# Altium PCB iMX53_BB_PCB_V1I1.PcbDoc (part 4 of 9) (continued)
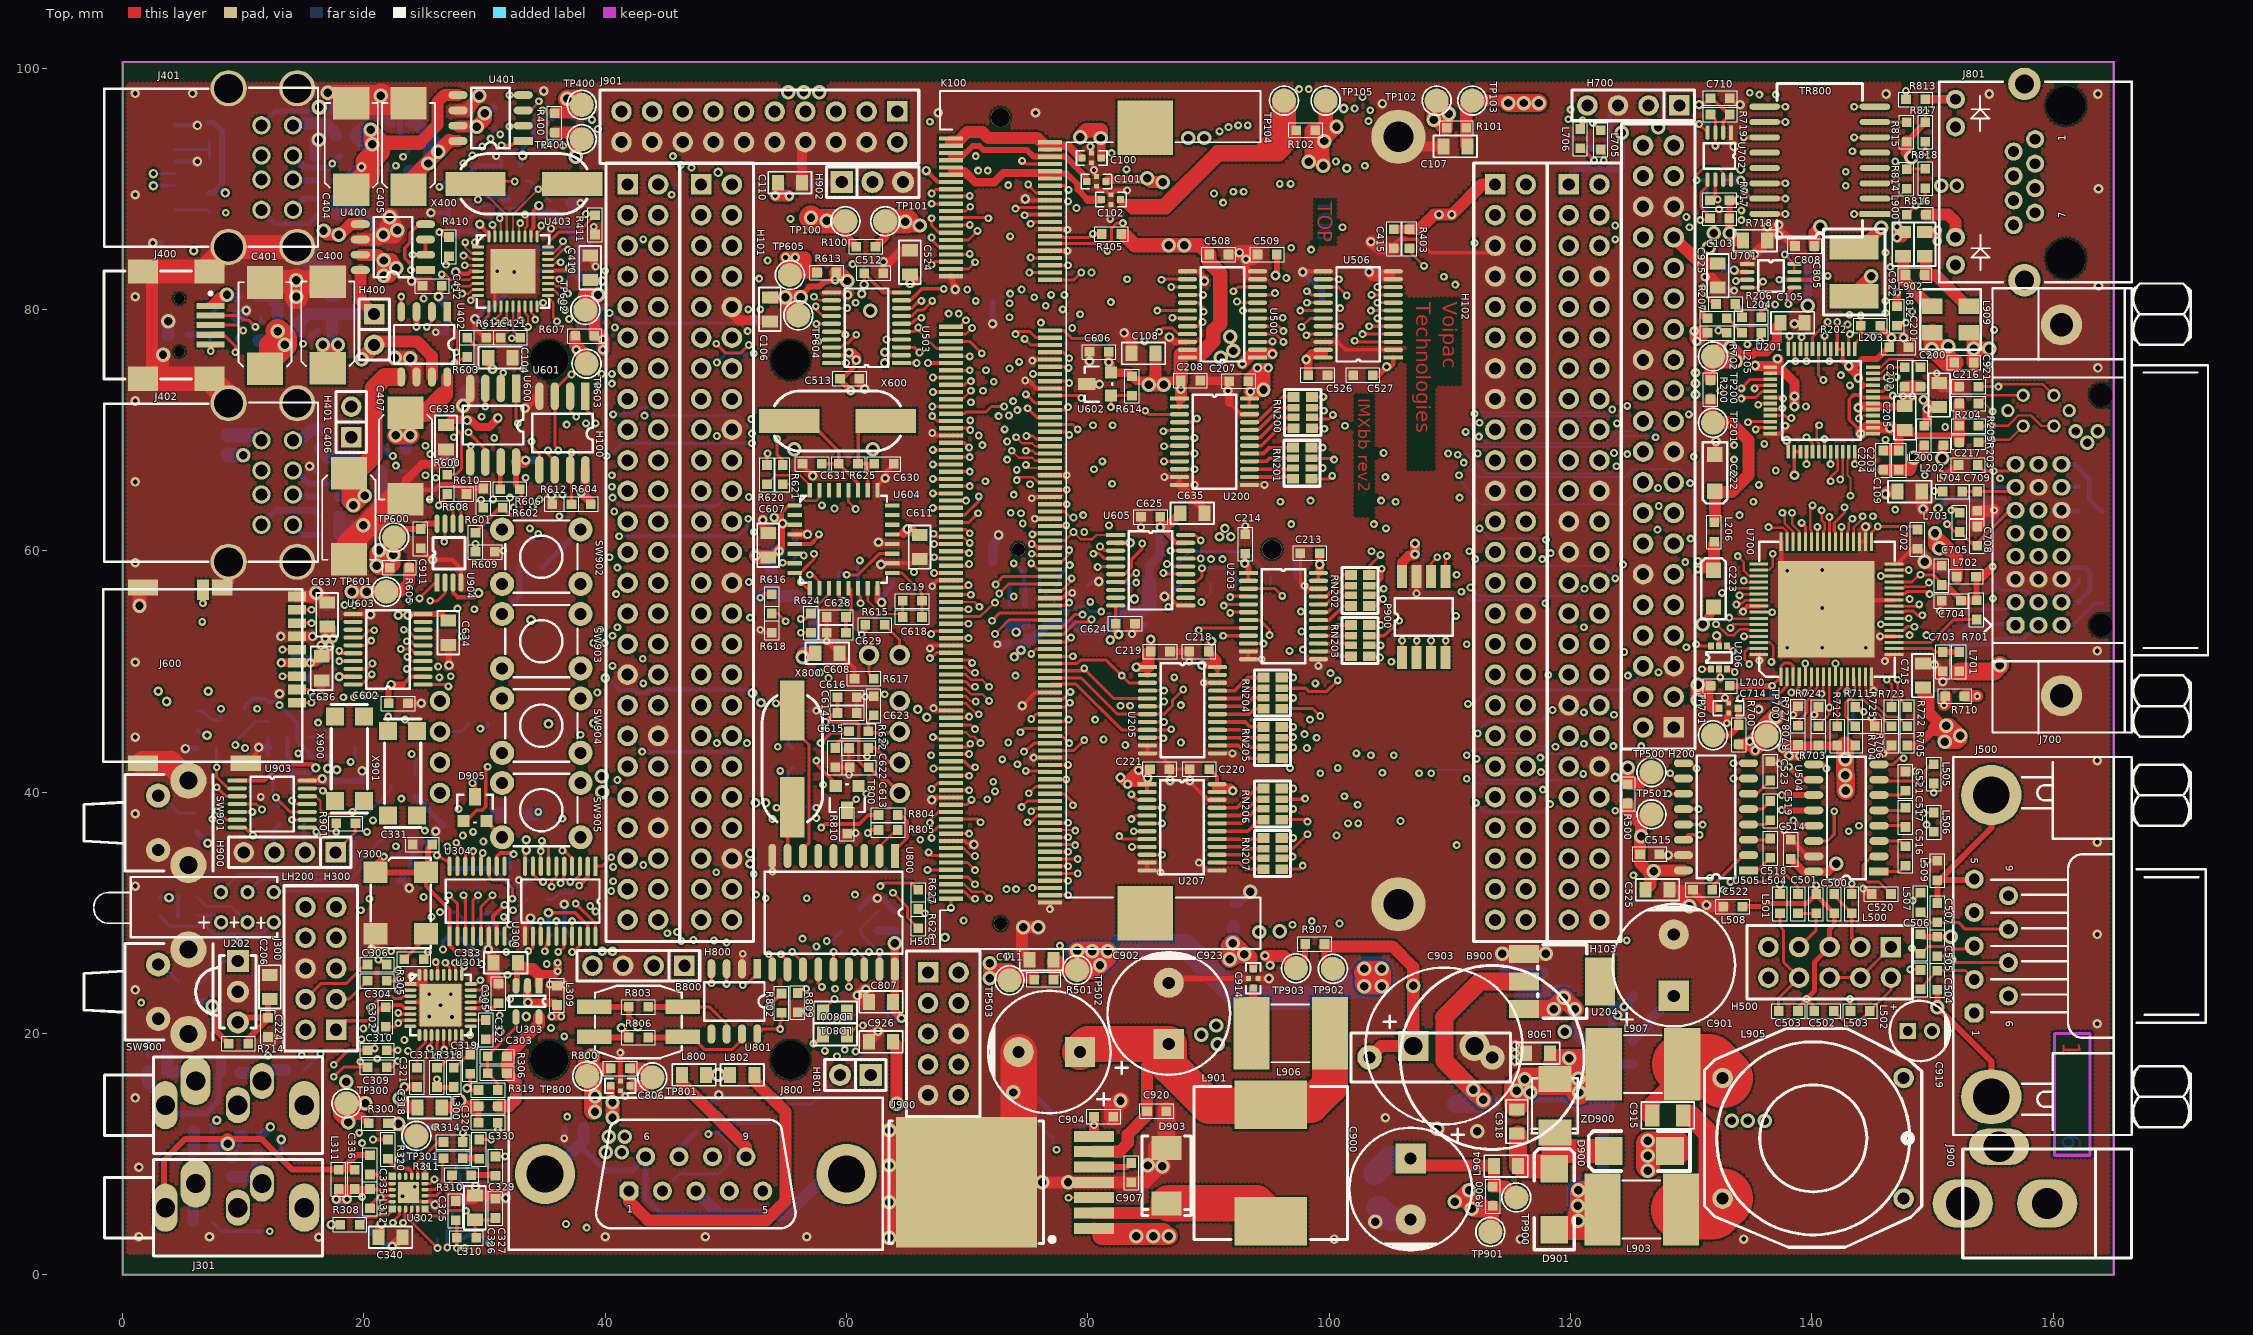
[diagram p0: Top view]
## Nets (pads, with @x,y where several pads share a name; then routed paths per layer and width w, separated by ;. In a path a pad name is that pad's centre, name@x,y a point inside that pad or via, vN(x,y) a via of type N, cw(c..) or ccw(c..) an arc to the next point about the centre after c; other vN are vias at no path point) (continued)
  Bottom w1.2: v3(21.6,86.2) v3@22.7,86.2 ; v3(22.15,87.65) 22.5,86.6 v3(22.757,86.557) ; v3@114.34,26.59 114.34,25.81 115.15,25 115.8,25 C212.1@117.6,25
  Bottom w2: J401.11@14.47,85.18 14.77,85.18 17.4,82.55 C403.1@17.4,81.6 ; C917.2@104.1,5.55 104.525,5.125 105.09,4.56 C900.2@106.75,4.56
  other v1: 23.2,6.5 27.3,21.35 25.4,21.4 26.35,22.338 25.4,23.25 27.2,23.25 23.95,24.75 60.2,41.45 137.7,47.35 135.65,50.9 137.95,51.95 140.85,51.95 144.45,51.95 134.3,54.95 140.85,55.25 137.95,58.35 140.85,58.4 75.35,64.35 74.8,74.1 75.4,75.75 80.2,93.5
  other v2: 100.4,2.95 115.85,2.95 134.35,2.95 16.25,3.1 1.35,3.15 7.2,3.15 40,3.15 48.3,3.15 56.7,3.15 29.25,7.3 1.35,8.9 104.65,13 1.05,14.65 163.65,20.8 1.05,23.6 163.65,28.2 1.05,32.2 163.65,35.85 1.05,38.2 163.65,42.6 1.05,44.55 13,48.15 1.05,50.75 163.65,51.7 13.1,52.9 20.55,54.7 1.05,59 62.65,60.7 1.05,65.7 1.05,72.4 91.6,73.25 163.7,75.15 1.05,81.05 163.75,81.95 1.05,89.5 163.75,90 67.6,96.3 75.65,96.3 104.4,97.05 146.15,97.85 154.7,97.85 163.7,97.85 1.05,97.9 5.8,97.9 34.898,98.1
  other v3: 103.8,4.4 84.95,9.05 112.25,11.9 108.95,12.1 114.35,26.6 117.95,26.6 16.25,94.05 17,97.95
GPIO0: H102.38 K100.148 U500.16 | length 95.1
  Top w0.25: v1(75.3,46.05) 75.7,46.45 K100.148@76.85,46.45 ; U500.16@88.25,81.2 v1(89.55,81.2)
  SignalH w0.15: v1(75.3,46.05) 75.876,46.05 76.476,45.45 80.449,45.45 80.649,45.25 82.05,45.25 82.8,44.5 84,44.5 85,43.5 90.95,43.5 91.212,43.763 92.538,43.763 93.25,43.05 98.55,43.05 99.05,43.55 101.45,43.55 101.85,43.95 112.674,43.95 113.074,43.55 115.19,43.55 H102.38@116.29,44.65 ; v1(78.05,81.2) 80.65,81.2 81.3,81.85 82.299,81.85 82.599,81.55 86.4,81.55 86.75,81.2 v1(89.55,81.2)
  SignalV w0.15: v1(75.3,46.05) 75.32,46.07 75.32,49.695 77.15,51.526 77.15,51.85 77.15,62.324 77.4,62.574 77.4,76.124 77.85,76.574 77.85,78.9 78.483,79.533 78.483,80.767 v1(78.05,81.2)
GPIO1: H101.37 K100.149 | length 67.5
  Top w0.2: K100.149@68.65,46.15 70.05,46.15 v1(70.15,46.25)
  SignalH w0.15: v1(10.15,43.65) 10.913,44.413 15.137,44.413 15.85,43.7 27.25,43.7 29.5,45.95 33.2,45.95 34.15,45 36.4,45 36.7,45.3 38.45,45.3 40.35,43.4 42.15,43.4 42.7,43.95 43.55,43.95 44.1,43.4 45.55,43.4 46.8,44.65 H101.37@47.95,44.65 49.05,45.75 51.25,45.75 51.9,45.1 62.55,45.1 63.85,46.4 65.25,46.4 66.1,45.55 69.45,45.55 v1(70.15,46.25)
  SignalV w0.15: v1@9.95,43.6 v1(10.15,43.65)
GPIO2: H103.37 K100.150 U207.8 | length 61.1
  Top w0.25: K100.150@76.85,45.85 78.25,45.85 v1(78.4,46) ; v1(82.6,36.35) 82.85,36.1 U207.8@84.9,36.1
  SignalH w0.15: v1(78.4,46) v1(80.6,46) 81.05,45.55 82.174,45.55 82.874,44.85 84.15,44.85 85.2,43.8 86.55,43.8 86.85,44.1 v1(87.7,44.1) ; v1(87.7,47.2) 88.476,47.2 88.776,46.9 109.3,46.9 110.45,45.75 118.75,45.75 H103.37@119.85,44.65
  SignalV w0.15: v1(80.6,46) 80.7,45.9 80.7,40.55 81.3,39.95 81.3,39.027 82.15,38.177 82.15,36.8 v1(82.6,36.35) ; v1(87.7,44.1) v1(87.7,47.2)
GPIO3: H101.38 K100.151 U207.9 | length 46.1
  Top w0.25: K100.151@68.65,45.55 70.302,45.55 v1(70.64,45.212) ; v1(83.648,35.45) U207.9@84.9,35.45
  SignalH w0.15: H101.38@50.49,44.65 62.524,44.65 63.974,46.1 64.95,46.1 65.838,45.212 v1(70.64,45.212) 70.79,45.063 73.237,45.063 73.95,44.35 76.45,44.35 76.95,44.85 80.2,44.85 80.7,44.35 v1(81.3,44.35)
  SignalV w0.15: v1(81.3,44.35) 81,44.05 81,40.7 81.6,40.1 81.6,39.151 82.45,38.301 82.45,37.55 83.2,36.8 83.2,35.898 v1(83.648,35.45)
GPIO4: H103.38 K100.152 U500.15 | length 103.5
  Top w0.25: v1(74.4,44.95) 74.7,45.25 K100.152@76.85,45.25 ; v1(86.9,81.85) U500.15@88.25,81.85
  SignalH w0.15: v1(74,49.65) 74.1,49.55 79.25,49.55 79.75,49.05 86.5,49.05 87.65,47.9 87.9,47.9 88.149,47.651 88.449,47.651 88.9,47.2 109.6,47.2 110.75,46.05 120.99,46.05 H103.38@122.39,44.65 ; v1(76.95,81.2) 77.6,81.85 78.25,81.85 78.5,81.6 80.499,81.6 81.049,82.15 82.423,82.15 82.723,81.85 v1(86.9,81.85)
  SignalV w0.15: v1(74.4,44.95) 73.55,45.8 73.55,48.024 73.9,48.374 73.9,49.55 v1(74,49.65) 74,49.75 75.15,50.9 75.55,50.9 76.35,51.7 76.35,61.95 76.55,62.15 76.55,71.7 76.8,71.95 76.8,77.1 77.2,77.5 77.2,80.95 v1(76.95,81.2)
GPIO5: H100.39 K100.153 U500.14 | length 90.9
  Top w0.2: K100.153@68.65,44.95 69.9,44.95 70.25,44.6 70.55,44.6 v1(71.1,44.05)
  Top w0.25: v1@86.1,82.5 U500.14@88.25,82.5
  SignalH w0.15: v1(83.25,82.5) v1@86.1,82.5
  SignalV w0.15: v1(71.1,44.05) 71,44.05 69.55,45.5 69.55,57.45 70.75,58.65 70.75,62.15 71.5,62.9 v1(71.5,65.75) ; v1(82,65.55) 82.25,65.8 82.25,67.624 81.35,68.524 81.35,72.55 82.35,73.55 82.35,78.275 82.5,78.425 82.5,81.8 v1@83.2,82.5
  Power w0.15: H100.39@41.8,42.1 41.85,42.1 42.8,42.1 43.9,43.2 60.75,43.2 61.1,43.55 65.15,43.55 65.493,43.893 68.843,43.893 69.5,44.55 70.6,44.55 v1(71.1,44.05) ; v1(71.5,65.75) 72.9,65.75 73.35,65.3 74.2,65.3 74.55,64.95 76,64.95 76.7,65.65 81.95,65.65 v1@82,65.6
  other v1: 86.1,82.45
GPIO6: H102.39 J602.11 K100.154 R631.2 | length 59.2
  Top w0.15: v1@78.434,44.056 v1(78.45,44.05)
  Top w0.25: K100.154@76.85,44.65 77.85,44.65 v1(78.45,44.05)
  SignalH w0.15: v1(73.4,44.1) 73.45,44.05 v1(78.45,44.05) 78.8,44.05 80.4,42.45 83.247,42.45 83.597,42.8 84.976,42.8 85.626,42.15 92.35,42.15 93.05,41.45 97.7,41.45 98.4,42.15 99.2,42.15 99.75,42.7 101.4,42.7 101.95,42.15 111.199,42.15 113.71,42.15 H102.39@113.75,42.11
  SignalV w0.15: v1(73.4,44.1) 72.85,44.65 72.85,51.774 73.05,51.974 73.05,52.85 72.9,53 72.9,54.75 73.5,55.35 73.5,55.7 v1@73.8,56
  Bottom w0.3: R631.2@73.5,55.5 73.5,56.2 ; J602.11@73.5,57.3 73.5,56.2 ; v1(73.85,56.2) 73.5,56.2
GPIO7: H100.40 K100.155 | length 25.8
  Top w0.25: v1(67.15,44.55) 67.525,44.5 67.596,44.407 68.182,44.329 68.275,44.4 K100.155@68.65,44.35
  SignalH w0.15: H100.40@44.39,42.11 45.71,42.11 47.1,43.5 51.45,43.5 51.8,43.15 54.5,43.15 54.85,43.5 62.55,43.5 v1(63.15,44.1)
  Power w0.15: v1(63.15,44.1) 63.35,43.9 64.95,43.9 65.6,44.55 v1(67.15,44.55)
GPIO8: H102.40 K100.156 U503.8 | length 97.3
  Top w0.25: v1(74.7,43.35) 75.55,44.05 K100.156@76.85,44.05
  Top w0.3: U503.8@64.55,80.1 65.4,80.1 66.033,80.733 v1(66.2,80.7)
  SignalH w0.15: v1(67,43.05) 68.9,43.05 69.35,42.6 70.9,42.6 71.85,43.55 74.5,43.55 v1(74.7,43.35) 74.825,43.475 75.975,43.475 76.15,43.3 79.1,43.3 80.25,42.15 83.45,42.15 83.8,42.5 84.851,42.5 85.751,41.6 92.476,41.6 92.926,41.15 98.75,41.15 98.9,41 99.801,41 100.001,41.2 101.526,41.2 102.176,40.55 104.1,40.55 104.25,40.4 112.1,40.4 112.7,41 115.18,41 H102.40@116.29,42.11 ; H102.40@115.69,42.04 H102.40@115.69,42.11
  SignalV w0.15: v1(66.2,80.7) 64.75,79.25 64.75,63.5 66.15,62.1 66.15,57.95 65.6,57.4 65.6,49.65 68,47.25 68,44.05 v1(67,43.05)
GPIO9: H101.39 K100.157 U503.9 | length 69.9
  Top w0.25: K100.157@68.65,43.75 70,43.75 v1(70.25,44)
  Top w0.3: U503.9@64.55,80.75 65.3,80.75 66.25,81.7 v1(68.05,81.7)
  SignalH w0.15: H101.39@47.9,42.05 47.955,42.105 49.05,43.2 51.1,43.2 51.607,42.693 54.543,42.693 55.05,43.2 60.5,43.2 61.3,42.4 62.25,42.4 63.75,43.9 70.15,43.9 v1(70.25,44)
  SignalV w0.15: v1(68.05,81.7) 68.25,81.5 68.25,80.3 67.85,79.9 67.85,75.85 66.5,74.5 66.5,63.4 68.5,61.4 68.5,49.5 69.1,48.9 69.1,45.15 v1(70.25,44)
GPIO10: H103.39 K100.158 U506.15 | length 86.4
  Top w0.25: K100.158@76.85,43.45 78.85,43.45 v1(79.7,44.3) ; U506.15@99.5,81.85 100.75,81.85 v1(101.45,81.15)
  SignalH w0.15: v1(79.7,44.3) 80.9,43.1 85.1,43.1 85.6,42.6 99,42.6 99.6,43.2 v1(102.25,43.2) 102.7,43.65 112.55,43.65 113,43.2 116.55,43.2 116.75,43.4 117.9,43.4 119.19,42.11 H103.39@119.85,42.11
  SignalV w0.15: v1(101.45,81.15) 101.45,75.95 101.85,75.55 101.85,65.55 101.45,65.15 101.45,50.997 102.6,49.847 102.6,46.55 102.25,46.2 v1(102.25,43.2)
GPIO11: H101.40 K100.159 U207.10 | length 45.4
  Top w0.15: K100.159@68.65,43.15 K100.159@68.7,43.1
  Top w0.25: K100.159@68.65,43.15 v1(70.15,43.15) ; U207.10@84.9,34.8 v1(86.152,34.8)
  SignalH w0.15: H101.40@50.49,42.11 51.4,41.2 55.6,41.2 56.4,42 62.4,42 64,43.6 69.7,43.6 v1(70.15,43.15) ; v1@71.7,39.35 76.45,39.35 76.65,39.55 78.95,39.55 80.864,37.636 80.864,37.284 83.349,34.8 v1(86.152,34.8)
  SignalV w0.15: v1(70.15,43.15) 70.55,43.1 71.45,42.2 71.45,39.4 v1(71.65,39.4)
HSI2C_CLK: H100.11 K100.41 R719.2 U702.3 | length 114.5
  Top w0.25: K100.41@68.65,78.55 69.35,78.55 v1(69.9,79.1) ; R719.2@131.6,96.15 132,95.75 U702.3@132,94.65 v1(132,93.55)
  SignalH w0.15: H100.11@41.85,77.65 42.7,77.65 44.1,79.05 51.076,79.05 51.426,79.4 56.8,79.4 57.05,79.65 57.974,79.65 58.574,79.05 62.3,79.05 63.4,80.15 67.05,80.15 68.2,79 69.8,79 v1(69.9,79.1) ; v1(70,81.65) 71.8,81.65 72.65,82.5 75.5,82.5 75.75,82.75 78.75,82.75 79,82.5 79.75,82.5 v1(80.3,83.05) ; v1(79.05,88.4) 84.024,88.4 84.674,87.75 89.251,87.75 90.25,86.751 90.451,86.55 99.15,86.55 100.15,85.55 101.976,85.55 102.976,86.55 111.6,86.55 111.8,86.35 124.45,86.35 125.2,87.1 129.55,87.1 v1(129.85,86.8)
  SignalV w0.15: v1(69.9,79.1) 69.9,81.6 v1(70,81.65) ; v1(79.05,88.4) 79.4,88.05 79.4,83.95 v1(80.3,83.05) ; v1(129.85,86.8) 130.15,87.1 130.15,88.8 132,90.65 v1(132,93.55)
HSI2C_DAT: H103.10 K100.40 R720.2 U702.4 | length 80.6
  Top w0.15: K100.40@76.85,82.45 76.954,82.45 K100.40@77.05,82.45 ; U702.4@131.35,94.65 U702.4@131.35,94.65
  Top w0.25: K100.40@76.954,82.45 78.85,82.45 v1(79.45,83.05) ; v1(130.648,95.35) U702.4@131.35,94.65
  SignalH w0.15: v1(78.35,88.95) 78.65,89.15 79.601,89.15 80.051,88.7 84.149,88.7 84.799,88.05 89.376,88.05 90.576,86.85 99.3,86.85 100.3,85.85 101.851,85.85 102.851,86.85 111.95,86.85 112.15,86.65 123.35,86.65 v1(123.699,86.95) 124.1,87.4 129.35,87.4 v1(129.6,87.65)
  SignalV w0.15: v1(78.35,88.95) 78.35,88.1 79.1,87.35 79.1,83.4 v1(79.45,83.05) ; H103.10@122.39,80.19 122.39,80.64 124.25,82.5 124.25,86.399 v1(123.699,86.95) ; v1(129.6,87.65) 129.75,87.8 129.75,91.6 130.648,92.498 v1(130.648,95.35)
  Bottom w0.25: v1(130.648,95.35) R720.2@131.5,95.35
I2C_INT: U500.8 U903.7 | length 141.5
  Top w0.25: v1(92.35,80.65) 92.15,80.55 92.35,80.55 U500.8@94.05,80.55
  Top w0.3: U903.7@9.5,37.05 10.15,37.05 v1(10.8,36.4)
  SignalH w0.15: v1(10.8,36.4) 11.05,36.15 23,36.15 25.35,33.8 38.5,33.8 39.15,33.15 42.35,33.15 v1(43.15,33.95) ; v1(51.75,44.05) 54,44.05 v1(54.3,43.75) ; v1(57.5,37.85) 58.05,38.4 63.801,38.4 64.051,38.65 64.9,38.65 65.8,39.55 65.8,39.85 66.95,41 69.2,41 69.45,40.75 71,40.75 71.7,40.05 v1(72.3,40.05) ; v1(77.9,80) 78.45,80 79.05,80.6 80.95,80.6 81.55,81.2 82.1,81.2 82.35,80.95 86.05,80.95 86.65,80.35 92.05,80.35 v1(92.35,80.65)
  SignalV w0.15: v1(43.05,43.35) 43.25,43.15 43.25,34.05 v1(43.15,33.95) ; v1(54.3,43.75) 54.3,43 56.15,41.15 56.15,39.2 v1(57.5,37.85) ; v1(72.3,40.05) 73.6,41.35 73.6,43.05 75,44.45 75,45.35 73.85,46.5 73.85,47.9 74.55,48.6 74.55,49.35 75.724,50.524 76.85,51.65 76.85,62.449 77.1,62.699 77.1,76.3 77.55,76.75 77.55,79.024 77.9,79.374 v1(77.9,80)
  Bottom w0.3: v1(43.05,43.35) 51.05,43.35 v1(51.75,44.05)
I2C_SCL: L705.1 R417.2 R717.2 R722.1 U301.29 U302.7 U601.6 U701.3 U702.6 U903.8 U904.6 | length 303.6
  Top w0.2: v1(147.1,49.3) 147.1,47.9 147.9,47.1 R722.1@147.9,47.05
  Top w0.25: U903.8@15.3,37.05 15.8,37.05 16.05,36.8 v1(16.05,36.7) ; v1(22.4,4.3) 22.4,4.4 22.95,4.95 U302.7@22.95,5.45 ; v1(25.95,25.9) 26.1,25.75 U301.29@26.1,24.85 ; v1(27.1,63.6) 27.38,63.32 U904.6@27.38,62.238 ; v1(35.25,68.3) 35.3,67.95 35.815,67.435 U601.6@35.815,66.7 ; L705.1@122.5,93.25 122.75,93 v1(122.75,92.35)
  Top w0.3: R717.2@131.55,89.1 R717.2@131.55,89.05 R717.2@131.6,89.1 ; U702.6@132,90.75 132,89.3 v1(132.2,89.1)
  Top w0.4: v1@133.598,82.45 133.7,82.45 U701.3@134.65,82.45
  SignalH w0.15: v1(16.05,36.7) 16.05,36.85 16.459,37.259 19.691,37.259 v1(20.25,36.7) ; v1(19.95,48) 20.5,47.45 22.95,47.45 25,49.5 v1(26.25,49.5) ; v1(22.25,26.8) 23.15,25.9 v1(25.95,25.9) ; v1(27.5,67.2) 28.445,67.9 32.7,67.9 33,68.2 35.15,68.2 v1(35.25,68.3) ; v1(39.4,94.95) 39.45,95.15 39.45,96.05 41.7,98.3 49.9,98.3 50.951,99.351 95.372,99.351 97.023,97.7 97.75,97.7 v1(98.3,98.25) ; v1(96.8,90.4) 97.35,89.85 105.45,89.85 106.05,90.45 107.5,90.45 109.6,92.55 109.6,93 112.666,96.066 119.016,96.066 119.5,96.55 v1(120,96.55) ; v1(122.75,92.35) 123.15,92.35 125.6,89.9 129.6,89.9 130.4,89.1 v1(132.2,89.1) 132.55,89.1 133.417,88.233 v1(134.15,88.2) ; v1(133.7,82.35) 134.85,81.2 141.801,81.2 142.151,80.85 144.95,80.85 v1(146.1,79.7)
  SignalV w0.15: v1(19.95,48) 21,46.95 21,38.85 20.15,38 20.15,36.8 v1(20.25,36.7) 20.25,32.524 21.553,31.221 22.25,30.524 v1(22.25,26.8) 22.25,25.45 21.95,25.15 21.95,21.551 21.8,21.401 21.8,19.474 21.95,19.324 21.95,16 21.65,15.7 21.65,7.55 22.2,7 22.2,4.5 v1(22.4,4.3) ; v1(26.25,49.5) 25.6,50.15 25.6,51.226 26.859,52.485 26.859,55.611 27.3,56.051 27.3,63.4 v1(27.1,63.6) 27.3,63.8 27.3,67 v1(27.5,67.2) ; v1(35.25,68.3) 35.9,68.95 35.9,71.25 38.25,73.6 38.25,75.926 38.55,76.226 38.55,83.9 40.1,85.45 40.1,92.65 39.4,93.35 v1(39.4,94.95) ; v1(96.8,90.4) 96.55,90.65 96.55,96.5 v1(98.3,98.25) ; v1(120,96.55) 120.4,96.2 120.4,95.45 122.75,93.1 v1(122.75,92.35) ; v1(133.7,82.35) 133.9,82.45 134.2,82.75 134.2,86.5 133.5,87.2 133.5,87.65 134.05,88.2 v1(134.15,88.2) ; v1(146.1,79.7) 145.9,79.5 145.9,76.176 145.4,75.676 145.4,69.074 145.65,68.824 145.65,65.526 145.35,65.226 145.35,64.274 146.35,63.274 146.35,61.45 143.9,59 143.9,53.8 147.1,50.6 v1(147.1,49.3)
  Bottom w0.2: R417.2@37.3,94.3 38,94.3 38.65,94.95 v1(39.4,94.95)
I2C_SDA: L706.1 R416.2 R718.2 R723.1 U301.27 U302.8 U601.5 U701.4 U702.5 U903.9 U904.5 | length 307
  Top w0.15: U601.5@34.545,66.7 U601.5@34.545,66.75 ; U702.5@131.3,90.4 131.35,90.45 U702.5@131.35,90.75 ; R718.2@131.55,87.7 R718.2@131.55,87.8 ; U701.4@134.6,81.8 U701.4@134.65,81.8
  Top w0.2: v1(146.2,49.3) 146.6,48.9 R723.1@146.6,47.05
  Top w0.25: v1(14.048,37.7) U903.9@15.3,37.7 ; v1@23.25,4.35 23.4,4.5 23.4,5.4 U302.8@23.45,5.45 ; v1@26.75,25.803 27.1,25.453 U301.27@27.1,24.85 ; U904.5@28.041,62.238 28.041,63.35 ; v1(33.9,69.05) 33.9,68.609 34.545,67.964 U601.5@34.545,66.75 ; L706.1@120.75,93.3 121,93.3 v1(121.95,92.35) ; v1(130.75,87.4) 131.4,87.4 R718.2@131.6,87.6 ; U702.5@131.3,90.75 131.3,90.4 131.3,90.2 130.8,89.7 130.8,88.45 R718.2@131.55,87.7
  Top w0.3: U701.4@134.55,81.8 U701.4@134.65,81.8 135.45,81.8 v1(135.95,82.3)
  SignalH w0.15: v1(14.048,37.7) 20.35,37.7 v1(20.75,37.65) ; v1(20.9,48) 22.8,48 24.382,49.582 25.2,50.4 v1(26.15,50.4) ; v1(22.85,25.25) 22.9,25.35 26.4,25.35 v1(26.75,25.85) ; v1(27.45,69.4) 27.75,69.25 29.1,69.25 29.8,68.55 32.3,68.55 32.59,68.84 33.69,68.84 v1(33.9,69.05) ; v1(38.9,95.698) 38.9,95.95 41.55,98.6 49.776,98.6 50.829,99.653 95.494,99.653 96.897,98.25 v1(97.5,98.25) ; v1(95.9,90.4) 96.75,89.55 105.574,89.55 106.174,90.15 107.65,90.15 109.9,92.4 109.9,92.85 112.816,95.766 v1@119.784,95.766 ; v1(121.95,92.35) 122.5,91.8 123.25,91.8 125.45,89.6 129.35,89.6 130.75,88.2 v1(130.75,87.4) 131,87.65 133.9,87.65 v1(134.15,87.4) ; v1(135.95,82.3) 136.75,81.5 141.926,81.5 142.276,81.15 145.65,81.15 v1(146.1,80.7)
  SignalV w0.15: v1(20.9,48) 21.4,47.5 21.4,38.3 v1(20.75,37.65) 20.85,37.55 20.85,32.349 21.868,31.331 23,30.199 23,25.4 v1(22.85,25.25) 22.25,24.65 22.25,21.427 22.1,21.277 22.1,19.599 22.25,19.449 22.25,15.876 22,15.626 22,7.7 22.463,7.237 22.6,7.1 22.6,4.95 v1(23.25,4.3) ; v1(26.15,50.4) 26.15,51.351 27.159,52.361 27.159,55.486 27.6,55.927 27.6,63.1 27.9,63.4 v1(27.9,63.7) 28.05,63.85 28.05,67.5 27.45,68.1 v1(27.45,69.4) ; v1(33.9,69.05) 35.6,70.75 35.6,71.4 37.95,73.75 37.95,76.05 38.25,76.35 38.25,84.05 39.8,85.6 39.8,92.5 38.55,93.75 38.55,95.348 v1(38.9,95.698) ; v1(95.9,90.4) 96.25,90.75 96.25,97 v1(97.5,98.25) ; v1(119.8,95.75) 119.8,95.55 121.95,93.4 v1(121.95,92.35) ; v1(134.15,87.4) 134.5,87.05 134.5,84.4 135.95,82.95 v1(135.95,82.3) ; v1(146.1,80.7) 145.45,80.05 145.45,79.15 145.6,79 145.6,76.3 145.1,75.8 145.1,68.95 145.35,68.7 145.35,65.65 145.05,65.35 145.05,64.15 146.05,63.15 146.05,61.6 143.375,58.925 143.375,52.125 v1(146.2,49.3)
  Bottom w0.2: R416.2@37.298,95.698 v1(38.9,95.698)
  Bottom w0.25: v1@38.852,95.65 v1(38.9,95.698)
I2S_DIN: U300.15 U301.26 | length 25.6
  Top w0.25: v1(27.55,25.85) 27.6,25.8 U301.26@27.6,24.85 ; U300.15@35.95,28.05 v1(35.95,29.302)
  SignalH w0.15: v1(28.8,19.85) 30.2,19.85 30.55,19.5 32.05,19.5 32.8,20.25 35.4,20.25 v1@35.5,20.35
  SignalV w0.15: v1(27.55,25.85) 27.55,24.6 28.4,23.75 28.4,20.25 v1(28.8,19.85) ; v1(35.5,20.45) 34.8,21.15 34.8,24.6 35.15,24.95 v1(35.15,25.75) 35.55,26.15 35.55,28.902 v1(35.95,29.302)
I2S_DOUT: U300.13 U301.25 | length 13.4
  Top w0.25: U301.25@28.1,24.85 28.1,25.2 28.388,25.418 v1(28.3,25.55) ; U300.13@34.65,28.05 v1(34.65,29.302)
  SignalH w0.15: v1(28.3,25.55) 28.65,25.15 30.2,25.15 v1(31.8,26.75) ; v1(32.35,30.2) 34.1,30.2 34.65,29.65 v1(34.65,29.302)
  SignalV w0.15: v1(31.8,26.75) 31.65,26.9 31.65,27.7 32.65,28.7 32.65,29.25 32.35,29.55 v1(32.35,30.2)
I2S_LRCLK: U300.12 U301.23 | length 7.8
  Top w0.25: U301.23@28.85,23.588 29.938,23.588 v1(30,23.65) ; v1(33.616,26.818) 34,27.1 U300.12@34,28.05
  SignalH w0.15: v1(30,23.65) 29.95,23.7 29.95,23.8 31.733,25.583 32.483,25.583 33.65,26.75 v1(33.616,26.818)
I2S_SCLK: U300.14 U301.24 | length 9.1
  Top w0.25: U301.24@28.85,24.088 29.338,24.088 v1(29.65,24.4) ; v1(35,26.8) U300.14@35.3,28.05
  SignalH w0.15: v1(29.65,24.4) 29.874,24.4 31.374,25.9 31.75,25.9 33.25,27.4 34.4,27.4 v1(35,26.8)
IR_RXD: R211.2 T203.2 U208.4 U903.4 | length 74.6
  Top w0.25: U903.4@9.5,39 11.1,39 v1(11.55,38.55)
  SignalH w0.15: v2(3.65,47.5) 10.55,47.5 v1(11.15,46.9) 12.3,45.75 v1(16.2,45.75) ; v1@16.2,45.8 v1@16.25,45.8
  SignalV w0.15: v2(2.55,91.25) 1.85,90.55 1.85,75.3 1.906,75.244 3.65,73.5 v2(3.65,47.5) ; v1(11.15,46.9) 12.1,45.95 12.1,39.1 v1(11.55,38.55)
  Bottom w0.25: v2(2.55,91.25) U208.4@4.35,91.25 ; R211.2@15.45,44.55 17.1,44.55 T203.2@17.25,44.7 v1@16.25,45.7 ; v1(16.2,45.75) v1@16.25,45.7 ; v1@16.25,45.8 16.25,45.75 v1@16.25,45.7
IR_TXD: U208.3 U903.3 | length 56.2
  Top w0.25: v1(7.8,40.4) 8.55,39.65 U903.3@9.5,39.65
  SignalV w0.15: v2(2.55,90.25) 3.25,89.55 3.25,81 5.65,78.6 5.65,57.4 5.2,56.95 5.2,45.45 7.15,43.5 7.15,41.85 7.8,41.2 v1(7.8,40.4)
  Bottom w0.25: v2(2.55,90.25) U208.3@4.35,90.25
JTAG_SRST: J901.15 P900.1 | length 101.6
  Top w0.25: P900.1@106.034,51.152 v1(106.034,52.554)
  SignalH w0.15: J901.15@46.42,96.4 47.87,94.95 70.95,94.95 71.55,94.35 76.4,94.35 78.551,96.501 93.301,96.501 96.701,93.1 98.75,93.1 99.1,92.75 100.05,92.75 v1(100.55,92.25)
  SignalV w0.15: v1(100.55,92.25) 100.55,90.916 104.08,87.386 104.08,82.72 105.725,81.075 105.725,65.725 106.45,65 106.45,59.271 106.6,59.121 106.6,56.024 106.8,55.824 106.8,53.876 106.034,53.11 v1(106.034,52.554)
JTAG_TCK: J901.9 P900.4 | length 96.5
  Top w0.25: P900.4@109.634,51.152 v1(109.65,52.55)
  SignalH w0.15: v1(66.9,95.55) 67.1,95.35 71.05,95.35 71.75,94.65 76.2,94.65 78.351,96.801 93.425,96.801 96.776,93.45 98.85,93.45 99.2,93.1 101.75,93.1 v1(102.95,91.9)
  SignalV w0.15: v1(102.95,91.9) 106.45,88.4 106.45,84.1 107.95,82.6 107.95,66.95 108.55,66.35 108.55,60 108.35,59.8 108.35,59.2 108.85,58.7 108.85,53.35 v1(109.65,52.55)
  Power w0.15: J901.9@54.04,96.4 55.14,95.3 66.65,95.3 v1(66.9,95.55)
JTAG_TDI: J901.5 P900.2 | length 93.7
  Top w0.25: P900.2@107.234,51.152 v1(107.25,52.55)
  SignalH w0.15: J901.5@59.05,96.35 J901.5@59.11,96.41 ; J901.5@59.12,96.4 61.1,98.38 95.07,98.38 96.65,96.8 98.55,96.8 99.15,97.4 101.35,97.4 v1(102.1,96.65)
  SignalV w0.15: v1(102.1,96.65) 101.85,96.4 101.85,92.25 102.1,92 102.1,91.134 102.688,90.546 105.425,87.809 105.425,83.509 106.975,81.959 106.975,66.409 107.75,65.634 107.75,59.45 107.35,59.05 107.35,57.15 107.8,56.7 107.8,56.15 107.25,55.6 v1(107.25,52.55)
JTAG_TDO: J901.13 P900.3 | length 105.1
  Top w0.25: P900.3@108.434,51.152 v1(108.434,52.554)
  SignalH w0.15: J901.13@48.96,96.4 51.573,99.013 95.285,99.013 96.899,97.4 98.25,97.4 98.85,98 102.35,98 v1(102.75,97.6)
  SignalV w0.15: v1(102.75,97.6) 102.75,96.45 102.4,96.1 102.4,91.65 105.95,88.1 105.95,83.8 107.45,82.3 107.45,66.65 108.15,65.95 108.15,60.024 108.05,59.924 108.05,57.934 108.35,57.634 108.35,52.638 v1(108.434,52.554)
JTAG_TMS: J901.7 P900.6 | length 91
  Top w0.25: P900.6@108.434,57.852 108.434,58.934 v1(108.95,59.45)
  SignalH w0.15: J901.7@56.58,96.4 57.4,96.4 58.1,97.1 59.687,98.687 95.187,98.687 96.774,97.1 98.4,97.1 99,97.7 101.85,97.7 103.05,96.5 v1(103.4,96.5)
  SignalV w0.15: v1(103.4,96.5) 103.4,96.55 102.7,95.85 102.7,95.15 102.85,95 102.85,92.8 107,88.65 107,85.3 108.4,83.9 108.4,67.3 108.95,66.75 v1(108.95,59.45)
JTAG_TRST: J901.3 P900.5 | length 84.6
  Top w0.25: P900.5@109.634,57.852 109.634,59.434 v1(109.75,59.55)
  SignalH w0.15: J901.3@61.66,96.4 62.76,95.3 65.65,95.3 67.451,97.101 93.549,97.101 95.278,95.372 99.222,95.372 99.85,96 102.85,96 v1(103.25,95.6)
  SignalV w0.15: v1(103.25,95.6) 103.25,93.2 106.798,89.652 107.5,88.95 107.5,85.55 108.9,84.15 108.9,69.1 108.7,68.9 108.7,67.526 109.3,66.926 109.3,61.75 109.75,61.3 v1(109.75,59.55)
JTAG_VREF: J901.1 P900.8 | length 81.5
  Top w0.8: P900.8@106.034,57.852 106.034,59.034 106.6,59.6 107,59.6 v2(107.1,59.7) v2(107.1,60.6)
  SignalH w0.8: J901.1@64.2,96.4 65.55,97.75 94,97.75 95.6,96.15 99,96.15 99.5,96.65 v2(101.2,96.65)
  SignalV w0.8: v2(101.45,91.7) 101.45,90.9 102.744,89.606 104.8,87.55 104.8,83.25 106.35,81.7 106.35,66.15 107.1,65.4 v2(107.1,59.7)
  Power w0.8: v2(101.2,96.65) 101.2,96.3 101.8,95.7 101.8,94.35 101.45,94 v2(101.45,91.7)
KEY_COL0: H103.18 K100.72 | length 51.3
  Top w0.25: v1(74.9,69.5) 75.45,69.5 75.7,69.25 K100.72@76.85,69.25
  Power w0.15: v1(74.9,69.5) 74.951,69.449 76.901,69.449 77.6,68.75 83.9,68.75 84.5,69.35 87.3,69.35 88,68.65 90.2,68.65 90.8,69.25 100.3,69.25 100.65,68.9 121.21,68.9 122.365,70.055 H103.18@122.39,70.08
KEY_COL1: D902.3 H100.19 K100.73 | length 47.2
  Top w0.25: K100.73@68.65,68.95 69.75,68.95 v1(70.15,68.55)
  SignalH w0.15: v1(33.4,66.05) 34.2,66.85 38.3,66.85 38.6,67.15 41.51,67.15 H100.19@41.85,67.49 ; H100.19@41.555,67.105 41.895,67.445 H100.19@41.9,67.45
  SignalV w0.15: v1(33.4,66.05) 33.45,66 33.45,63.25 34.067,62.633 34.45,62.25 v1(34.45,61.4)
  Power w0.15: H100.19@41.85,67.49 43.26,68.9 51.15,68.9 51.75,68.3 52.8,68.3 53.15,68.65 54.55,68.65 55.3,69.4 65.55,69.4 66,68.95 69.75,68.95 v1(70.15,68.55)
  Bottom w0.3: D902.3@33.85,60.65 v1(34.45,61.4)
KEY_COL2: H102.19 K100.74 | length 48.2
  Top w0.2: v1(74.05,69.4) 74.55,68.9 75.388,68.9 75.638,68.65 K100.74@76.85,68.65
  SignalH w0.15: v1(74.1,66.7) 74.3,66.5 75.95,66.5 76.3,66.85 79.3,66.85 81.25,64.9 94.95,64.9 95.35,65.3 108.7,65.3 108.992,65.592 110.892,65.592 112.79,67.49 H102.19@113.75,67.49
  SignalV w0.15: v1(74.05,69.4) 73.751,69.449 73.925,69.275 74.25,68.95 74.25,66.85 v1(74.1,66.7)
KEY_COL3: D905.3 H100.20 K100.75 | length 82.4
  Top w0.25: v1(67.15,68.35) K100.75@68.65,68.35
  Top w0.3: v1(29,40.75) 29.2,40.55 D905.3@29.2,39.6
  SignalH w0.15: v1(23.1,39.45) 23.8,38.75 27,38.75 v1(29,40.75) ; v1(25.45,64.25) 25.75,64.25 27,65.5 33.65,65.5 34.7,66.55 38.55,66.55 38.85,66.85 40.9,66.85 41.5,66.25 42.75,66.25 43.99,67.49 H100.20@44.39,67.49 46.24,67.49 47.319,68.569 49.369,68.569 49.7,68.9 51.15,68.9 52.55,67.5 65.85,67.5 66.7,68.35 v1(67.15,68.35)
  SignalV w0.15: v1(23.1,39.45) 24.65,41 24.65,45.95 23.75,46.85 23.75,47.8 25,49.05 25,51.75 26.05,52.8 26.05,55.8 26.7,56.45 26.7,59.7 25.45,60.95 v1(25.45,64.25)
KEY_COL4: H102.20 K100.76 | length 48
  Top w0.2: v1(74.86,68.28) 75.42,68.28 75.65,68.05 K100.76@76.85,68.05
  SignalH w0.15: v1(75.2,65.5) 75.55,65.65 79.85,65.65 80.9,64.6 95.1,64.6 95.5,65 108.9,65 109.192,65.292 111.042,65.292 112.15,66.4 115.2,66.4 H102.20@116.29,67.49
  SignalV w0.15: v1(74.86,68.28) 75.497,67.643 75.497,65.797 v1(75.2,65.5)
KEY_ROW0: H101.19 K100.77 SW902.1 SW902.3 SW904.1 SW904.3 | length 80
  Top w0.25: K100.77@68.65,67.75 v1(70.2,67.75)
  SignalH w0.15: v1(32.4,63.6) 33.5,64.7 34.224,64.7 34.824,65.3 34.874,65.3 35.524,65.95 38.35,65.95 39,65.3 v1(40.55,65.3) ; H101.19@47.95,67.49 48.84,67.49 49.95,68.6 51,68.6 52.4,67.2 66.15,67.2 66.7,67.75 v1(70.2,67.75)
  SignalH w0.5: SW904.3@31.45,43.25 SW904.1@37.95,43.25 ; SW902.3@31.45,57.25 31.8,57.25 32.35,57.8 37.4,57.8 SW902.1@37.95,57.25
  SignalV w0.15: SW902.3@31.45,57.25 32.7,58.5 32.7,63.3 v1(32.4,63.6) ; SW904.1@37.95,43.25 39.9,45.2 39.9,48.6 39.35,49.15 39.35,51 36.55,53.8 36.55,55.85 SW902.1@37.95,57.25
  Power w0.15: v1(40.55,65.3) 40.65,65.3 41.45,66.1 42.524,66.1 42.774,66.35 46.3,66.35 47.44,67.49 H101.19@47.95,67.49
KEY_ROW1: H103.19 K100.78 | length 55.5
  Top w0.2: v1(73.692,68.28) 74.272,67.7 75.388,67.7 75.638,67.45 K100.78@76.85,67.45
  SignalH w0.15: v1(73.85,64.65) 74.7,63.8 76,63.8 76.7,64.5 79.85,64.5 80.05,64.3 95.3,64.3 95.7,64.7 109.1,64.7 109.392,64.992 111.192,64.992 112.25,66.05 118.41,66.05 H103.19@119.85,67.49
  SignalV w0.15: v1(73.692,68.28) 73.9,68.072 73.9,67.3 73.55,66.95 73.55,64.95 v1(73.85,64.65)
KEY_ROW2: H101.20 K100.79 SW903.1 SW903.3 SW905.1 SW905.3 | length 78.7
  Top w0.25: v1(67.15,67.15) K100.79@68.65,67.15
  SignalH w0.15: v1(32.1,64.4) 32.75,64.4 33.35,65 34.1,65 35.35,66.25 v1(40.55,66.25) ; H101.20@50.49,67.49 50.86,67.49 51.5,66.85 66.25,66.85 66.55,67.15 v1(67.15,67.15)
  SignalH w0.5: SW905.1@31.45,40.75 SW905.3@37.95,40.75 ; SW903.3@31.45,50.25 SW903.1@37.95,50.25
  SignalV w0.15: SW905.1@31.45,40.75 31.45,41.25 32.7,42.5 32.7,48.55 31.45,49.8 SW903.3@31.45,50.25 33,51.8 33,63.85 32.45,64.4 v1(32.1,64.4) v1@32.1,64.15
  Power w0.15: v1(40.55,66.25) 40.7,66.4 42.4,66.4 43.1,67.1 43.1,67.85 43.85,68.6 49.05,68.6 50.16,67.49 H101.20@50.49,67.49
KEY_ROW3: H103.20 K100.80 | length 52.6
  Top w0.2: v1(74.86,67.112) 75.122,66.85 K100.80@76.85,66.85
  Power w0.15: v1(74.86,67.112) 79.188,67.112 80.2,66.1 82.9,66.1 84.15,64.85 100.401,64.85 101.101,65.55 103,65.55 106.05,68.6 121.28,68.6 122.365,67.515 H103.20@122.39,67.49
KEY_ROW4: H100.21 K100.81 | length 31.1
  Top w0.25: K100.81@68.65,66.55 v1(70.2,66.55)
  Power w0.15: H100.21@41.85,64.96 42.66,64.96 43.75,66.05 51.6,66.05 52.3,65.35 69,65.35 v1(70.2,66.55)
LAN45: J801.4 J801.5 L900.1 R817.2 | length 26.1
  Top w0.3: v1(149.4,93.048) R817.2@149.4,93.9
  Top w0.8: L900.1@147.741,86.4 L900.1@147.55,86.4 147.5,86.4 v2(147.05,86.85) 147.05,86.4 v2(147.05,85.95) 147.5,85.95 147.75,86.2 L900.1@147.803,86.252
  SignalH w0.35: v3(150.7,90.25) 151.15,90.2 v3(152,90.25)
  SignalH w1: v3@150.4,90.25 v3(150.7,90.25) ; J801.5@158.16,90.04 J801.5@158.5,90.04
  SignalH w1.5: v3@150.65,90.25 v3(150.7,90.25) v3(152,90.25) 153.35,90.25 154.15,91.05 J801.4@156.72,91.05 157.15,91.05 J801.5@158.16,90.04
  SignalV w0.35: v1(149.4,93.048) 149.7,92.748 149.7,91.25 v3(150.7,90.25) ; J801.5@158.5,90.04 J801.5@158.89,90.04
  Power w0.8: v3@150.3,90.25 v3(150.7,90.25)
  Power w1.5: v2(147.05,85.95) 147.35,86.25 147.35,86.85 147.35,89.1 148.5,90.25 v3@150.3,90.25 ; v3@150.4,90.25 v3(150.7,90.25) v3(152,90.25)
LAN78: J801.7 J801.8 L902.1 R818.2 | length 18.5
  Top w0.3: v1(149.4,89) R818.2@149.4,90.05
  Top w0.8: L902.1@149.35,86.4 v2@150.4,86.4 ; v2(150.4,85.65) v2@150.4,86.4 ; v2(150.4,86.55) v2@150.4,86.4
  SignalH w0.35: v2@150.202,86.4 v2@150.376,86.574 ; J801.8@156.72,86.99 J801.8@157.19,86.99
  SignalH w1.5: v2@150.1,85.65 150.1,86.55 150.1,87.3 150.65,87.85 153.35,87.85 154.21,86.99 J801.8@156.72,86.99 157.48,86.99 J801.7@158.5,88.01
  SignalV w0.35: v1(149.4,89) 149.4,87.795 149.4,87.55 v2(150.4,86.55) v2(150.4,85.65)